# Altium PCB JetsonXavier_v1.PcbDoc
Units mm, origin at the board's own origin, x right, y up, seen from the top; angles counter-clockwise.
Board outline 51 x 60 mm, 2 copper layers (Top Layer, Bottom Layer); 95 components, 78 nets, 360 pads, 138 vias.
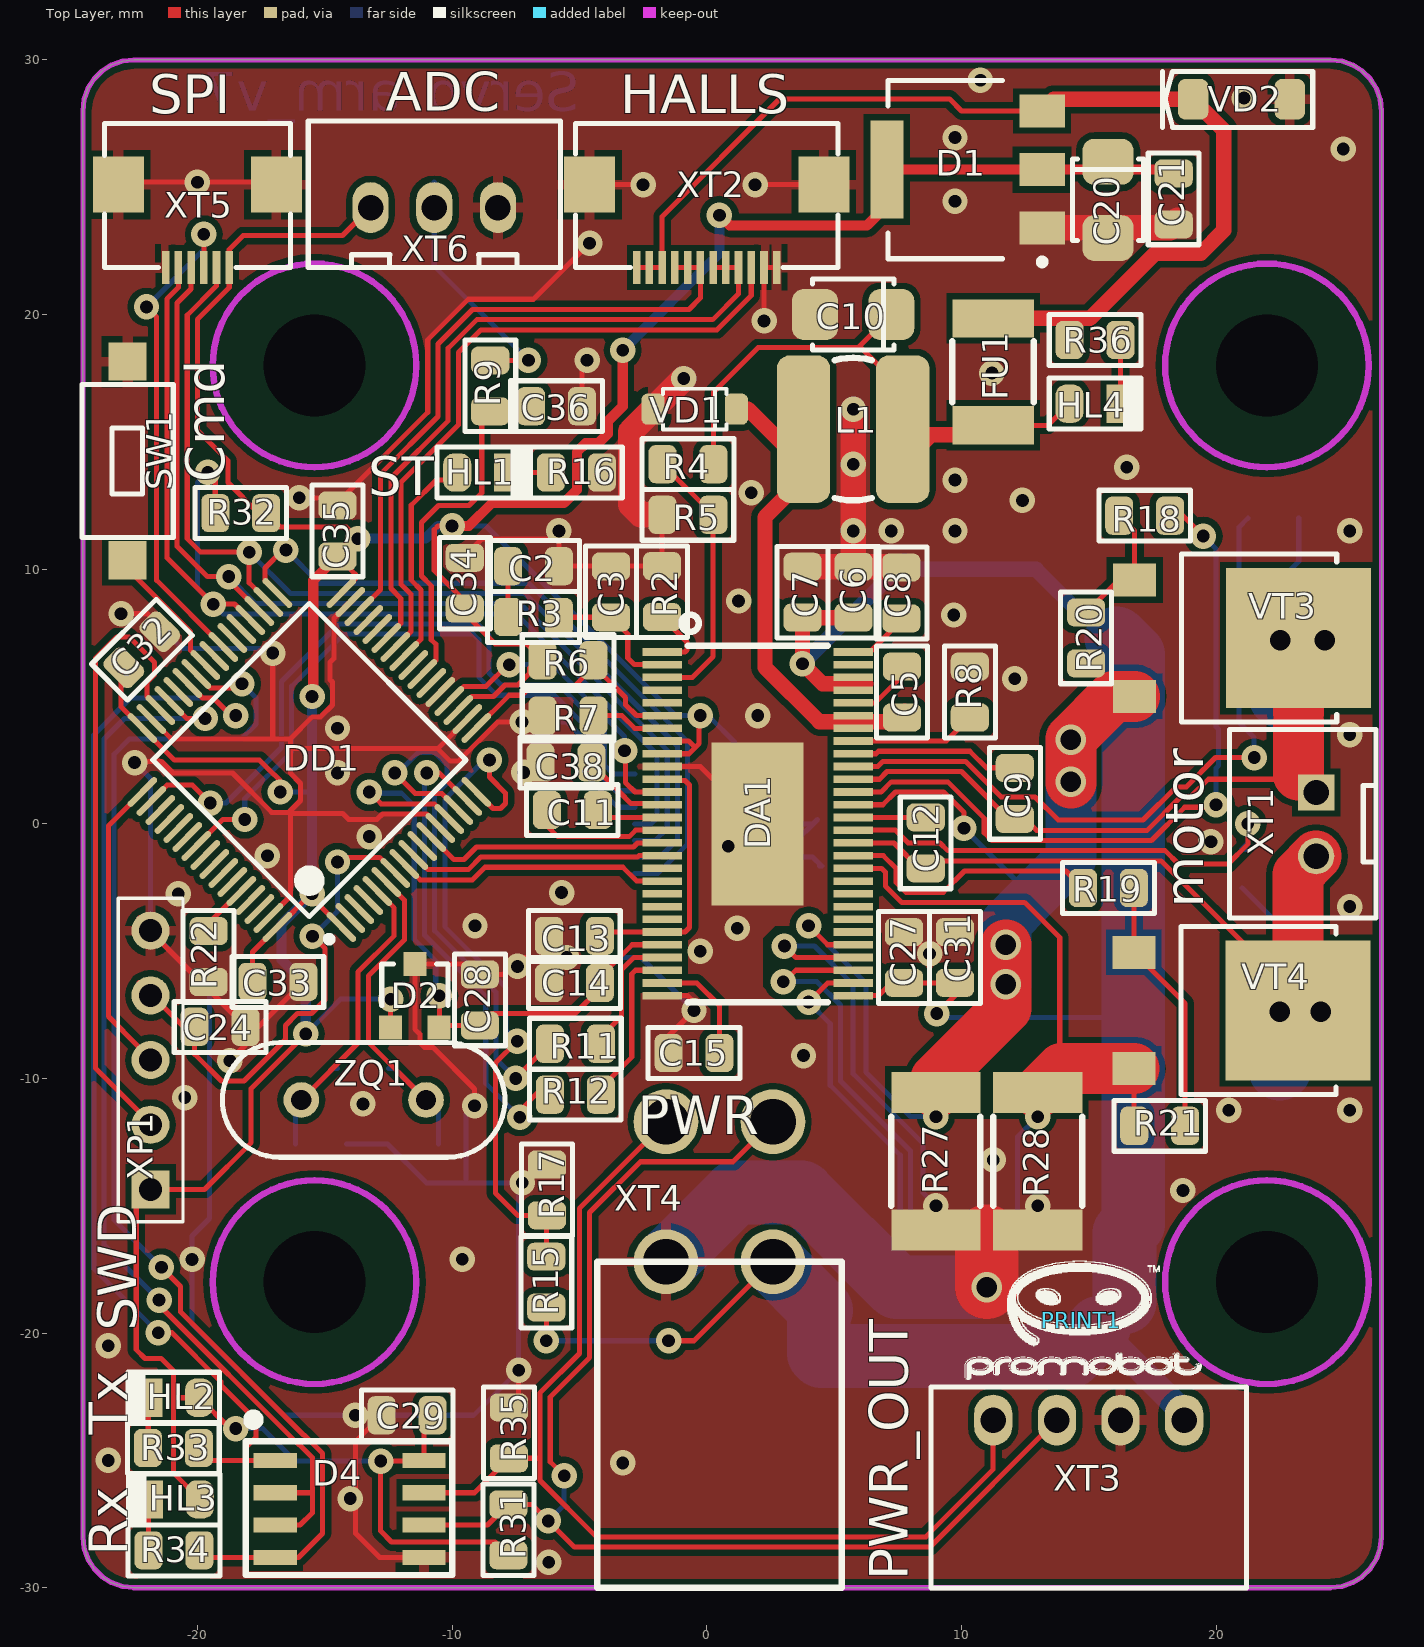
[diagram p0: Top Layer view]
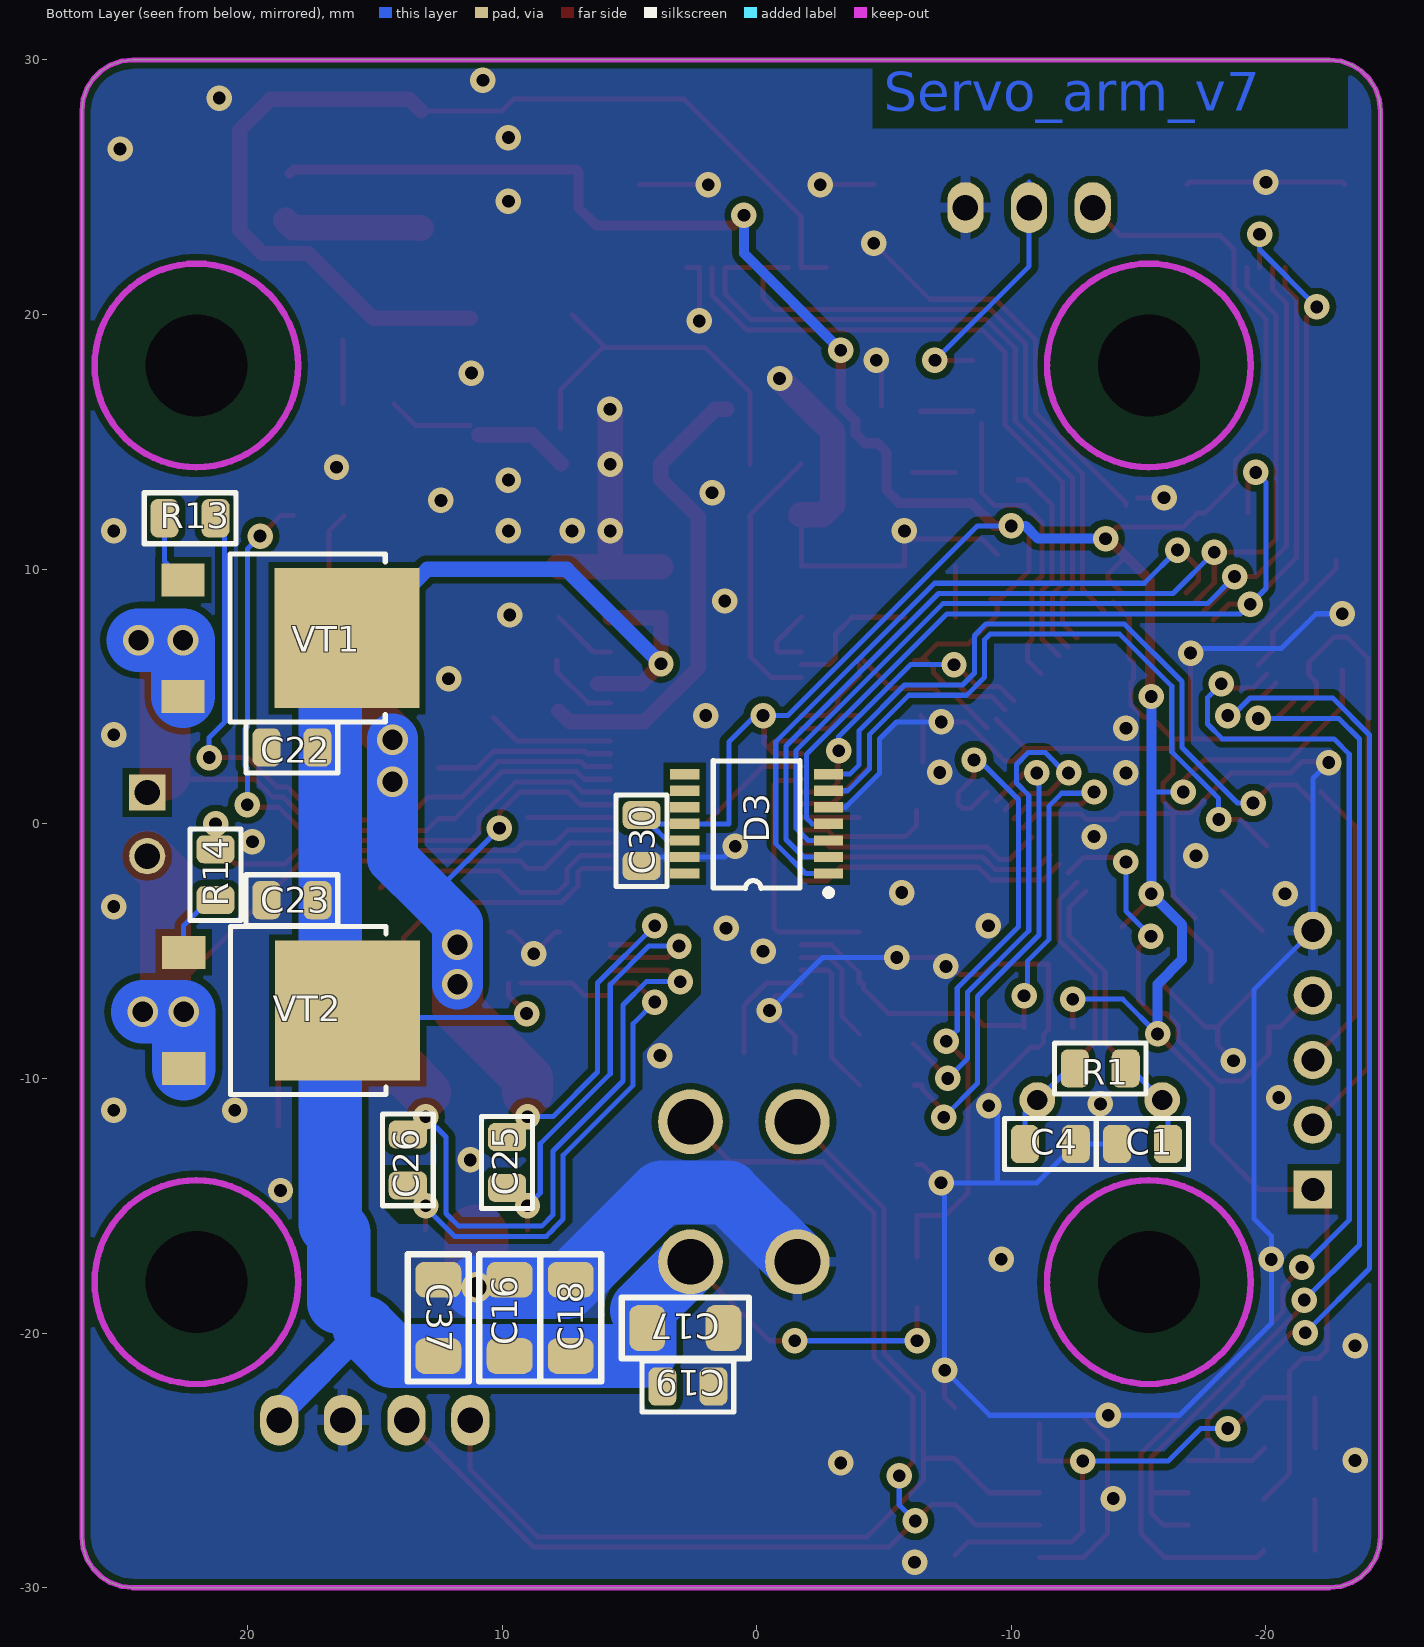
[diagram p1: Bottom Layer view, seen from below]

## Layer stack, top to bottom
Top Solder: solder mask 0.0102, Solder Resist, Dk 3.5
Top Layer: signal copper 0.0356
Dielectric 1: dielectric 0.32, FR-4, Dk 4.8
Bottom Layer: signal copper 0.0356
Bottom Solder: solder mask 0.0102, Solder Resist, Dk 3.5

## Board outline
-24.064,-29.246 -24.302,-28.867 -24.45,-28.444 -24.5,-27.999 -24.5,28.001 -24.45,28.446 -24.302,28.869 -24.064,29.248 -23.747,29.565 -23.368,29.803 -22.945,29.951 -22.5,30.001 24.5,30.001 24.945,29.951 25.368,29.803 25.747,29.565 26.064,29.248 26.302,28.869 26.45,28.446 26.5,28.001 26.5,6 26.5,-28.001 26.5,-27.999 26.45,-28.444 26.302,-28.867 26.064,-29.246 25.747,-29.562 25.368,-29.801 24.945,-29.949 24.5,-29.999 -22.5,-29.999 -22.945,-29.949 -23.368,-29.801 -23.747,-29.562

## Design rules (kind name [scope] priority, off if disabled: settings)
Clearance [All] p1: gap=0.2 except(0.25: Arc-Poly Track-Poly SMDPad-Poly THPad-Poly Via-Poly Fill-Poly Poly-Poly)
HoleSize [All] p1: absolutevalues=TRUE maxlimit=5 minlimit=0.025 maxpercent=80.000 minpercent=20.000
PolygonConnect PolygonConnect_1 [HasFootprint('MKS1854-2')] p1: connectstyle=Direct reliefconductorwidth=0.254 reliefentries=4 polygonreliefangle="90 Angle" airgapwidth=0.254
PolygonConnect PolygonConnect_ToVia [IsVia or HasFootprint('HTSSOP-56 - top') or HasFootprint('P0805') or HasFootprint('0805') or HasFootprint('1206') or HasFootprint('SOT223') or HasFootprint('Case-B') or HasFootprint('R2512') or HasFootprint('MF-04MB')] p2: connectstyle=Direct reliefconductorwidth=0.254 reliefentries=4 polygonreliefangle="90 Angle" airgapwidth=0.254
PolygonConnect [All] p3: connectstyle=Relief reliefconductorwidth=0.4 reliefentries=4 polygonreliefangle="90 Angle" airgapwidth=0.254 // 2
RoutingVias [All] p1: holewidth=0.5 width=1 viastyle="Through Hole" minholewidth=0.5 minwidth=1 maxholewidth=4 maxwidth=6
SolderMaskExpansion [All] p1: expansion=0.102
Width [All] p1: maxlimit=4 minlimit=0.2 preferedwidth=0.2 minimp=50.000000 maximp=50.000000 favimp=50.000000
29 further rules are at their usual default settings.

## Components (designator, comment, footprint, x,y, rotation, side; value= is the part's Value field where it differs from the comment)
C1 "C0805" 0805 -15.153,-12.573 r180 bottom
C2 "C0805" 0805 -6.803,10.118 r180 top
C3 "C0805" 0805 -3.755,9.11 r90 top
C4 "C0805" 0805 -11.532,-12.573 r0 bottom
C5 "C0805" 0805 7.671,5.175 r270 top
C6 "C0805" 0805 5.763,9.094 r90 top
C7 "C0805" 0805 3.761,9.095 r90 top
C8 "C0805" 0805 7.644,9.065 r270 top
C9 "C0805" 0805 12.1,1.195 r270 top
C10 "47 мкФ 10В" Case-B 5.75,20 r180 top
C11 "C0805" 0805 -5.277,0.544 r0 top
C12 "C0805" 0805 8.6,-0.75 r270 top
C13 "C0805" 0805 -5.195,-4.4 r0 top
C14 "C0805" 0805 -5.194,-6.249 r0 top
C15 "C0805" 0805 -0.5,-9 r0 top
C16 "C1206" 1206 9.7,-19.4 r90 bottom
C17 "C1206" 1206 2.8,-19.8 r180 bottom
C18 "C1206" 1206 7.3,-19.4 r90 bottom
C19 "C0805" 0805 2.7,-22.1 r0 bottom
C20 "47 мкФ 10В" Case-B 15.76,24.501 r270 top
C21 "C0805" 0805 18.339,24.54 r90 top
C22 "C0805" 0805 18.25,3 r180 bottom
C23 "C0805" 0805 18.25,-3 r180 bottom
C24 "C0805" 0805 -19.109,-7.973 r0 top
C25 "C0805" 0805 9.8,-13.3 r90 bottom
C26 "C0805" 0805 13.7,-13.2 r90 bottom
C27 "C0805" 0805 7.75,-5.25 r270 top
C28 "C0805" 0805 -8.909,-6.916 r270 top
C29 "C0805" 0805 -11.764,-23.228 r0 top
C30 "C0805" 0805 4.517,-0.66 r90 bottom
C31 "C0805" 0805 9.75,-5.25 r270 top
C32 "C0805" 0805 -22.185,6.837 r225 top
C33 "C0805" 0805 -16.84,-6.207 r180 top
C34 "C0805" 0805 -9.5,9.447 r270 top
C35 "C0805" 0805 -14.5,11.503 r270 top
C36 "C0805" 0805 -5.9,16.4 r180 top
C37 "C1206" 1206 12.5,-19.4 r90 bottom
C38 "C0805" 0805 -5.53,2.413 r0 top
D1 "LM1117-3.3" SOT223 10.123,25.691 r90 top
D2 "REF3030" SOT-23 -11.462,-6.75 r0 top
D3 "AS5047" TSSOP14 0,0 r90 bottom
D4 "ADM3485" SOIC-8 -14,-26.9 r0 top
DA1 "DRV8302" "HTSSOP-56 - top" 2,0 r270 top
DD1 "STM32F302RB_FULL" LQFP64_L -15.606,2.506 r135 top
FU1 "MF-MSMF" 1812 11.25,17.75 r90 top
HL1 "GREEN" LED0805 -8.797,13.796 r0 top
HL2 "RED" LED0805 -20.931,-22.539 r180 top
HL3 "BLUE" LED0805 -20.907,-26.531 r180 top
HL4 "RED" LED0805 15.25,16.5 r0 top
L1 "22 мкГн" SDR0604 5.75,15.5 r0 top
PRINT1 "Logo" Logo_Promobot 14.7,-19.5 r0 top
R1 "R0805 (1%)" P0805 -13.495,-9.604 r0 bottom
R2 "R0805" P0805 -1.755,9.118 r270 top
R3 "R0805" P0805 -6.803,8.122 r0 top
R4 "R0805" P0805 -0.736,14.122 r180 top
R5 "R0805" P0805 -0.74,12.134 r180 top
R6 "R0805" P0805 -5.443,6.423 r0 top
R7 "R0805" P0805 -5.443,4.246 r180 top
R8 "R0805" P0805 10.333,5.175 r270 top
R9 "R0805" P0805 -8.5,17.2 r270 top
R11 "R0805" P0805 -5.158,-8.636 r180 top
R12 "R0805" P0805 -5.159,-10.637 r180 top
R13 "R0805" P0805 22.25,12 r180 bottom
R14 "R0805" P0805 21.25,-2 r90 bottom
R15 "R0805" P0805 -6.3,-18 r90 top
R16 "R0805 (1%)" P0805 -5.117,13.796 r0 top
R17 "R0805" P0805 -6.272,-14.378 r90 top
R18 "R0805" P0805 17.2,12.1 r0 top
R19 "R0805" P0805 15.777,-2.521 r180 top
R20 "R0805" P0805 14.9,7.3 r90 top
R21 "R0805" P0805 17.789,-11.858 r0 top
R22 "R0805" P0805 -19.56,-5.212 r90 top
R27 "0.01 Ом 1%" R2512 9,-13.25 r270 top
R28 "0.01 Ом 1%" R2512 13,-13.25 r270 top
R31 "R0805 (1%)" P0805 -7.79,-27.725 r90 top
R32 "R0805" P0805 -18.3,12.2 r180 top
R33 "R0805" P0805 -20.945,-24.513 r180 top
R34 "R0805 (1%)" P0805 -20.922,-28.533 r180 top
R35 "R0805 (1%)" P0805 -7.768,-23.916 r90 top
R36 "R0805" P0805 15.25,19 r0 top
SW1 "IT-1181A" IT-1181A -22.75,14.25 r90 top
VD1 "MBR0520LT1G" SOD-123 -0.47,16.283 r0 top
VD2 "BZV55c5v1" SOD-80 21,28.45 r0 top
VT1 "FDD8447L" TO-252 16.087,7.292 r270 bottom
VT2 "FDD8447L" TO-252 16.063,-7.331 r270 bottom
VT3 "FDD8447L" TO-252 23.241,7.292 r270 top
VT4 "FDD8447L" TO-252 23.218,-7.331 r270 top
XP1 "PLS-5" PLS-5 -21.842,-9.277 r90 top
XT1 "MKS1852-6-0-202" MKS1854-2 23.933,0 r90 top
XT2 "FPC/FFC/12pin-0.5mm" FPC/FFC/12pin-0.5mm 0,22.5 r90 top
XT3 "22057045" 22057045 15,-22.116 r180 top
XT4 "SP" MF-04MRA 0.5,-17.2 r180 top
XT5 "SP" FPC/FFC/6pin-0.5mm -20,22.5 r90 top
XT6 "JST-3" JST-3 -10.7,24.2 r0 top
ZQ1 "8 МГц" HC-49/U -13.473,-10.845 r180 top

## Footprints (in the part's own frame and the unit in brackets; to place one, negate y for a bottom-side part, rotate by r counter-clockwise, add the part's x,y. Pads: shape width x height; smd on the part's side, far side on the other; paste and mask are expansions set on the pad)
0805 [mm] "Chip Capacitor; Body 2.0 x 1.2 mm (LxW typ)"
  rrect50% 1.1x1.5 smd: 1(-1,0) 2(1,0)
  silkscreen extent -1.8,-1 1.8,1, body extent -1,-0.62 1,0.63, height 1
1206 [mm] "Chip capasitor 3.2mm x 1.6mm"
  rrect50% 1.4x1.8 smd: 1(-1.5,0) 2(1.5,0)
  silkscreen extent -2.5,-1.2 2.5,1.2, body extent -1.6,-0.8 1.6,0.8, height 1
1812 [mm] "MF-MSMF020"
  rect 1.5x3.2 smd: 1(-2.1,0) 2(2.1,0)
  silkscreen extent -1.2,-1.6 1.2,1.6
22057045 [mm] "Molex"
  oval 1.5x2 hole 1: 1(-3.75,1.3) 2(-1.25,1.3) 3(1.25,1.3) 4(3.75,1.3)
  silkscreen extent -6.2,0 6.2,7.9, body extent -6.2,0.08 6.2,7.98, height 5.45
Case-B [mm] "Capacitor, SM Tantalum; Body 3.5 x 2.8 mm (LxW typ)"
  rrect50% 1.8x2 smd: 1(-1.5,0) 2(1.5,0)
  silkscreen extent -1.6,-1.4 1.6,1.4, body extent -1.75,-1.4 1.75,1.4, height 1.9
FPC/FFC/6pin-0.5mm [mm]
  rect 2.2x2 smd: 0(2.6,3.1) 0(2.6,-3.1)
  rect 1.3x0.3 smd: 1(-0.65,-1.25) 2(-0.65,-0.75) 3(-0.65,-0.25) 4(-0.65,0.25) 5(-0.65,0.75) 6(-0.65,1.25)
  silkscreen extent -0.65,-3.65 5,3.65, body extent -0.65,-3.65 5.05,3.65, height 2
FPC/FFC/12pin-0.5mm [mm]
  rect 2.2x2 smd: 0(2.6,4.6) 0(2.6,-4.6)
  rect 1.3x0.3 smd: 1(-0.65,-2.75) 2(-0.65,-2.25) 3(-0.65,-1.75) 4(-0.65,-1.25) 5(-0.65,-0.75) 6(-0.65,-0.25) 7(-0.65,0.25) 8(-0.65,0.75) 9(-0.65,1.25) 10(-0.65,1.75) 11(-0.65,2.25) 12(-0.65,2.75)
  silkscreen extent -0.65,-5.15 5,5.15, body extent -0.65,-5.15 5.05,5.15, height 2
HC-49/U [mm] "11,5x5,3mm"
  round 1.4 hole 0.8: 1(-2.45,0) 2(2.45,0)
  silkscreen extent -5.55,-2.25 5.55,2.25, body extent -5.5,-2.25 5.48,2.25, height 4.1
"HTSSOP-56 - top" [mm]
  rect 0.3x1.55 smd: 1(-6.75,-3.75) 2(-6.25,-3.75) 3(-5.75,-3.75) 4(-5.25,-3.75) 5(-4.75,-3.75) 6(-4.25,-3.75) 7(-3.75,-3.75) 8(-3.25,-3.75) 9(-2.75,-3.75) 10(-2.25,-3.75) 11(-1.75,-3.75) 12(-1.25,-3.75) 13(-0.75,-3.75) 14(-0.25,-3.75) 15(0.25,-3.75) 16(0.75,-3.75) 17(1.25,-3.75) 18(1.75,-3.75) 19(2.25,-3.75) 20(2.75,-3.75) 21(3.25,-3.75) 22(3.75,-3.75) 23(4.25,-3.75) 24(4.75,-3.75) 25(5.25,-3.75) 26(5.75,-3.75) 27(6.25,-3.75) 28(6.75,-3.75) 29(6.75,3.75) 30(6.25,3.75) 31(5.75,3.75) 32(5.25,3.75) 33(4.75,3.75) 34(4.25,3.75) 35(3.75,3.75) 36(3.25,3.75) 37(2.75,3.75) 38(2.25,3.75) 39(1.75,3.75) 40(1.25,3.75) 41(0.75,3.75) 42(0.25,3.75) 43(-0.25,3.75) 44(-0.75,3.75) 45(-1.25,3.75) 46(-1.75,3.75) 47(-2.25,3.75) 48(-2.75,3.75) 49(-3.25,3.75) 50(-3.75,3.75) 51(-4.25,3.75) 52(-4.75,3.75) 53(-5.25,3.75) 54(-5.75,3.75) 55(-6.25,3.75) 56(-6.75,3.75)
  rect 6.4x3.62 smd: 57(0,0)
  silkscreen extent -8.21,-2.99 7,2.75, body extent -7,-4.08 7,4.13, height 1.1
IT-1181A [mm] "Tact switch"
  rect 1.5x1.5 smd: 1(-3.9,0) 2(3.9,0)
  silkscreen extent -3,-1.8 3,1.79, body extent -4,-1.8 4,1.8, height 2.5
JST-3 [mm]
  oval 1.422x2 hole 1: 1(-2.5,0) 2(0,0) 3(2.5,0)
  silkscreen extent -4.95,-2.35 4.95,3.4, body extent -4.95,-2.37 4.95,3.38, height 7
LED0805 [mm] "Chip Capacitor; Body 2.0 x 1.2 mm (LxW typ)"
  rrect75% 1.1x1.5 smd: 1(-1,0)
  rect 1.1x1.5 smd: 2(1,0)
  silkscreen extent -1.8,-1 1.8,1, body extent -1.06,-0.46 1,0.45, height 0.85
Logo_Promobot [mm]
  silkscreen extent -4.57,-2.31 4.75,2.34
LQFP64_L [mm] "Thin QFP, 64-Leads, Body 10x10mm, Pitch 0.5mm, IPC High Density"
  oval 1.55x0.25 smd: 1(-5.525,3.75) 2(-5.525,3.25) 3(-5.525,2.75) 4(-5.525,2.25) 5(-5.525,1.75) 6(-5.525,1.25) 7(-5.525,0.75) 8(-5.525,0.25) 9(-5.525,-0.25) 10(-5.525,-0.75) 11(-5.525,-1.25) 12(-5.525,-1.75) 13(-5.525,-2.25) 14(-5.525,-2.75) 15(-5.525,-3.25) 16(-5.525,-3.75) 33(5.525,-3.75) 34(5.525,-3.25) 35(5.525,-2.75) 36(5.525,-2.25) 37(5.525,-1.75) 38(5.525,-1.25) 39(5.525,-0.75) 40(5.525,-0.25) 41(5.525,0.25) 42(5.525,0.75) 43(5.525,1.25) 44(5.525,1.75) 45(5.525,2.25) 46(5.525,2.75) 47(5.525,3.25) 48(5.525,3.75)
  oval 0.25x1.55 smd: 17(-3.75,-5.525) 18(-3.25,-5.525) 19(-2.75,-5.525) 20(-2.25,-5.525) 21(-1.75,-5.525) 22(-1.25,-5.525) 23(-0.75,-5.525) 24(-0.25,-5.525) 25(0.25,-5.525) 26(0.75,-5.525) 27(1.25,-5.525) 28(1.75,-5.525) 29(2.25,-5.525) 30(2.75,-5.525) 31(3.25,-5.525) 32(3.75,-5.525) 49(3.75,5.525) 50(3.25,5.525) 51(2.75,5.525) 52(2.25,5.525) 53(1.75,5.525) 54(1.25,5.525) 55(0.75,5.525) 56(0.25,5.525) 57(-0.25,5.525) 58(-0.75,5.525) 59(-1.25,5.525) 60(-1.75,5.525) 61(-2.25,5.525) 62(-2.75,5.525) 63(-3.25,5.525) 64(-3.75,5.525)
  silkscreen extent -5.65,-4.35 4.35,4.55, body extent -6,-6 5.99,6, height 1.6
MF-04MRA [mm]
  round 2.54 hole 1.8: 1(-2.1,0) 2(2.1,0) 3(-2.1,-5.5) 4(2.1,-5.5)
  silkscreen extent -4.8,0 4.8,12.8, body extent -5,-6.05 5,23.75, height 13.4
MKS1854-2 [mil]
  rect 56x56 hole 39.37: 1(48.42,0)
  round 56 hole 39.37: 2(-50,0)
  silkscreen extent -146,-93 146,134, body extent -149,-90 147,134, height 110
P0805 [mm]
  rrect50% 1.1x1.5 smd: 1(-1,0) 2(1,0)
  silkscreen extent -1.8,-1 1.8,1, body extent -1.15,-0.67 1.15,0.68, height 0.76
PLS-5 [mm] "Connector; Header; 4x1 Position"
  rect 1.5x1.5 hole 0.9: 1(-5.08,0)
  round 1.5 hole 0.9: 2(-2.54,0) 3(0,0) 4(2.54,0) 5(5.08,0)
  silkscreen extent -6.35,-1.27 6.35,1.27, body extent -6.35,-1.27 6.35,1.27, height 8.44
R2512 [mm] "Resistor size 2512"
  rect 1.6x3.5 smd: 1(-2.7,0) 2(2.7,0)
  silkscreen extent -1.75,-1.75 1.75,1.75, body extent -3.16,-1.52 3.14,1.63, height 0.62
SDR0604 [mm] "SMD Power Inductors"
  rrect50% 2.1x5.8 smd: 1(-1.95,0) 2(1.95,0)
  silkscreen extent -0.72,-2.8 0.72,2.8, body extent -2.75,-2.8 2.75,2.8, height 4.55
SOD-80 [mm] "Body 3.5 x 1.5 mm (LxW typ)"
  rrect50% 1.2x1.6 smd mask+0.1: 1(-1.9,0) 2(1.9,0)
  silkscreen extent -3.1,-1.1 2.8,1.1, body extent -1.72,-0.8 1.63,0.74, height 1.52
SOD-123 [mm] "Body 2.7 x 1.2 mm (LxW typ)"
  rrect50% 0.91x1.22 smd mask+0.1: 1(1.635,0) 2(-1.635,0)
  silkscreen extent -1.25,-0.8 1.25,0.8, body extent -1.25,-0.6 1.25,0.65, height 1
SOIC-8 [mm]
  rect 1.7x0.6 smd: 1(-2.95,1.9) 2(-2.95,0.63) 3(-2.95,-0.64) 4(-2.95,-1.91) 5(2.9,-1.91) 6(2.9,-0.64) 7(2.9,0.63) 8(2.9,1.9)
  silkscreen extent -4.1,-2.6 4,3.7, body extent -3.1,-2.5 3.1,2.5, height 1.75
SOT223 [mm]
  rect 1.3x1.8 smd: 1(-2.3,-3.05) 2(0,-3.05) 3(2.3,-3.05)
  rect 3.85x1.3 smd: 4(0,3.05)
  silkscreen extent -3.75,-3.18 3.5,3, body extent -3.3,-3.67 3.4,3.53, height 1.85
SOT-23 [mm] "SOT-23; 3 Leads; Body 3.0 x 2.6 mm, inc. leads (LxW max)"
  rect 0.9x0.95 smd: 1(-0.95,-1.25) 2(0.95,-1.25) 3(0,1.25)
  silkscreen extent -1.3,-0.38 1.3,1.25, body extent -1.5,-1.32 1.5,1.32, height 1.08
TO-252 [mm]
  rect 1.3x1.7 smd: 1(-2.285,-6.44) 3(2.285,-6.44)
  rect 5.5x5.7 smd: 2(0,0)
  silkscreen extent -3.3,-4.6 3.3,1.5, body extent -3.29,-7.07 3.29,2.63, height 2.3
TSSOP14 [mm]
  rect 0.4x1.15 smd: 1(-1.95,-2.825) 2(-1.3,-2.825) 3(-0.65,-2.825) 4(0,-2.825) 5(0.65,-2.825) 6(1.3,-2.825) 7(1.95,-2.825) 8(1.95,2.825) 9(1.3,2.825) 10(0.65,2.825) 11(0,2.825) 12(-0.65,2.825) 13(-1.3,2.825) 14(-1.95,2.825)
  silkscreen extent -2.82,-2.95 2.47,1.71, body extent -2.5,-3.2 2.5,3.2, height 1.2

## Part data
C1 C2 C3 C4 C5 C6 C7 C8 C9 C11 C12 C13 C14 C15 C19 C21 C22 C23 C24 C25 C26 C27 C28 C29 C30 C31 C32 C33 C34 C35 C36 C38: "Чип конденсатор 0805"
C10 C20: library part "Tantal \"B\"", "Чип конденсатор танталовый \"B\""
C16 C17 C18 C37: "Чип конденсатор 1206"
D1: library part LM1117
D2: library part REF30**
D4: library part MAX481, "RS485 driver"
DD1: "STM32 ARM-Cortex M3 32-bit MCU, 128 kB"
FU1: "Самовостанавливающийся предохранитель"
HL1 HL2 HL3 HL4: library part LED
L1: library part inductor
R1 R2 R3 R4 R5 R6 R7 R8 R9 R11 R12 R13 R14 R15 R16 R17 R18 R19 R20 R21 R22 R31 R32 R33 R34 R35 R36: "Чип резистор 0805, 1%"
R27 R28: library part R2512
SW1: library part SWT-1
VD1 VD2: library part diode
VT1 VT2 VT3 VT4: library part mosfet_n
XT3: "molex"
XT4: library part MF-04M
XT5: library part FPC/FFC/6pin-0.5mm
ZQ1: library part HC49U-8M0, "Кварцевый резонатор d3x8мм"

## Free pads (board coordinates)
  round 0 hole 4: 1(-15.403,-18) 1(-15.403,18) 1(22,-18) 1(22,18)

## Via types
v1: diameter 1, hole 0.5, Top Layer to Bottom Layer, tented both sides, 129 vias
v2: diameter 1.2, hole 0.8, Top Layer to Bottom Layer, tented both sides, 9 vias
